# Altium PCB kunkun.PcbDoc (part 3 of 8)
Units mil, origin at the board's own origin, x right, y up, seen from the top; angles counter-clockwise.
Board outline 11417.32 x 6911.54 mil, 2 copper layers (Top Layer, Bottom Layer), stack 28 mil thick; 1172 components, 690 nets, 3402 pads, 1297 vias.
Unrouted connection lines stored in the file: 210.
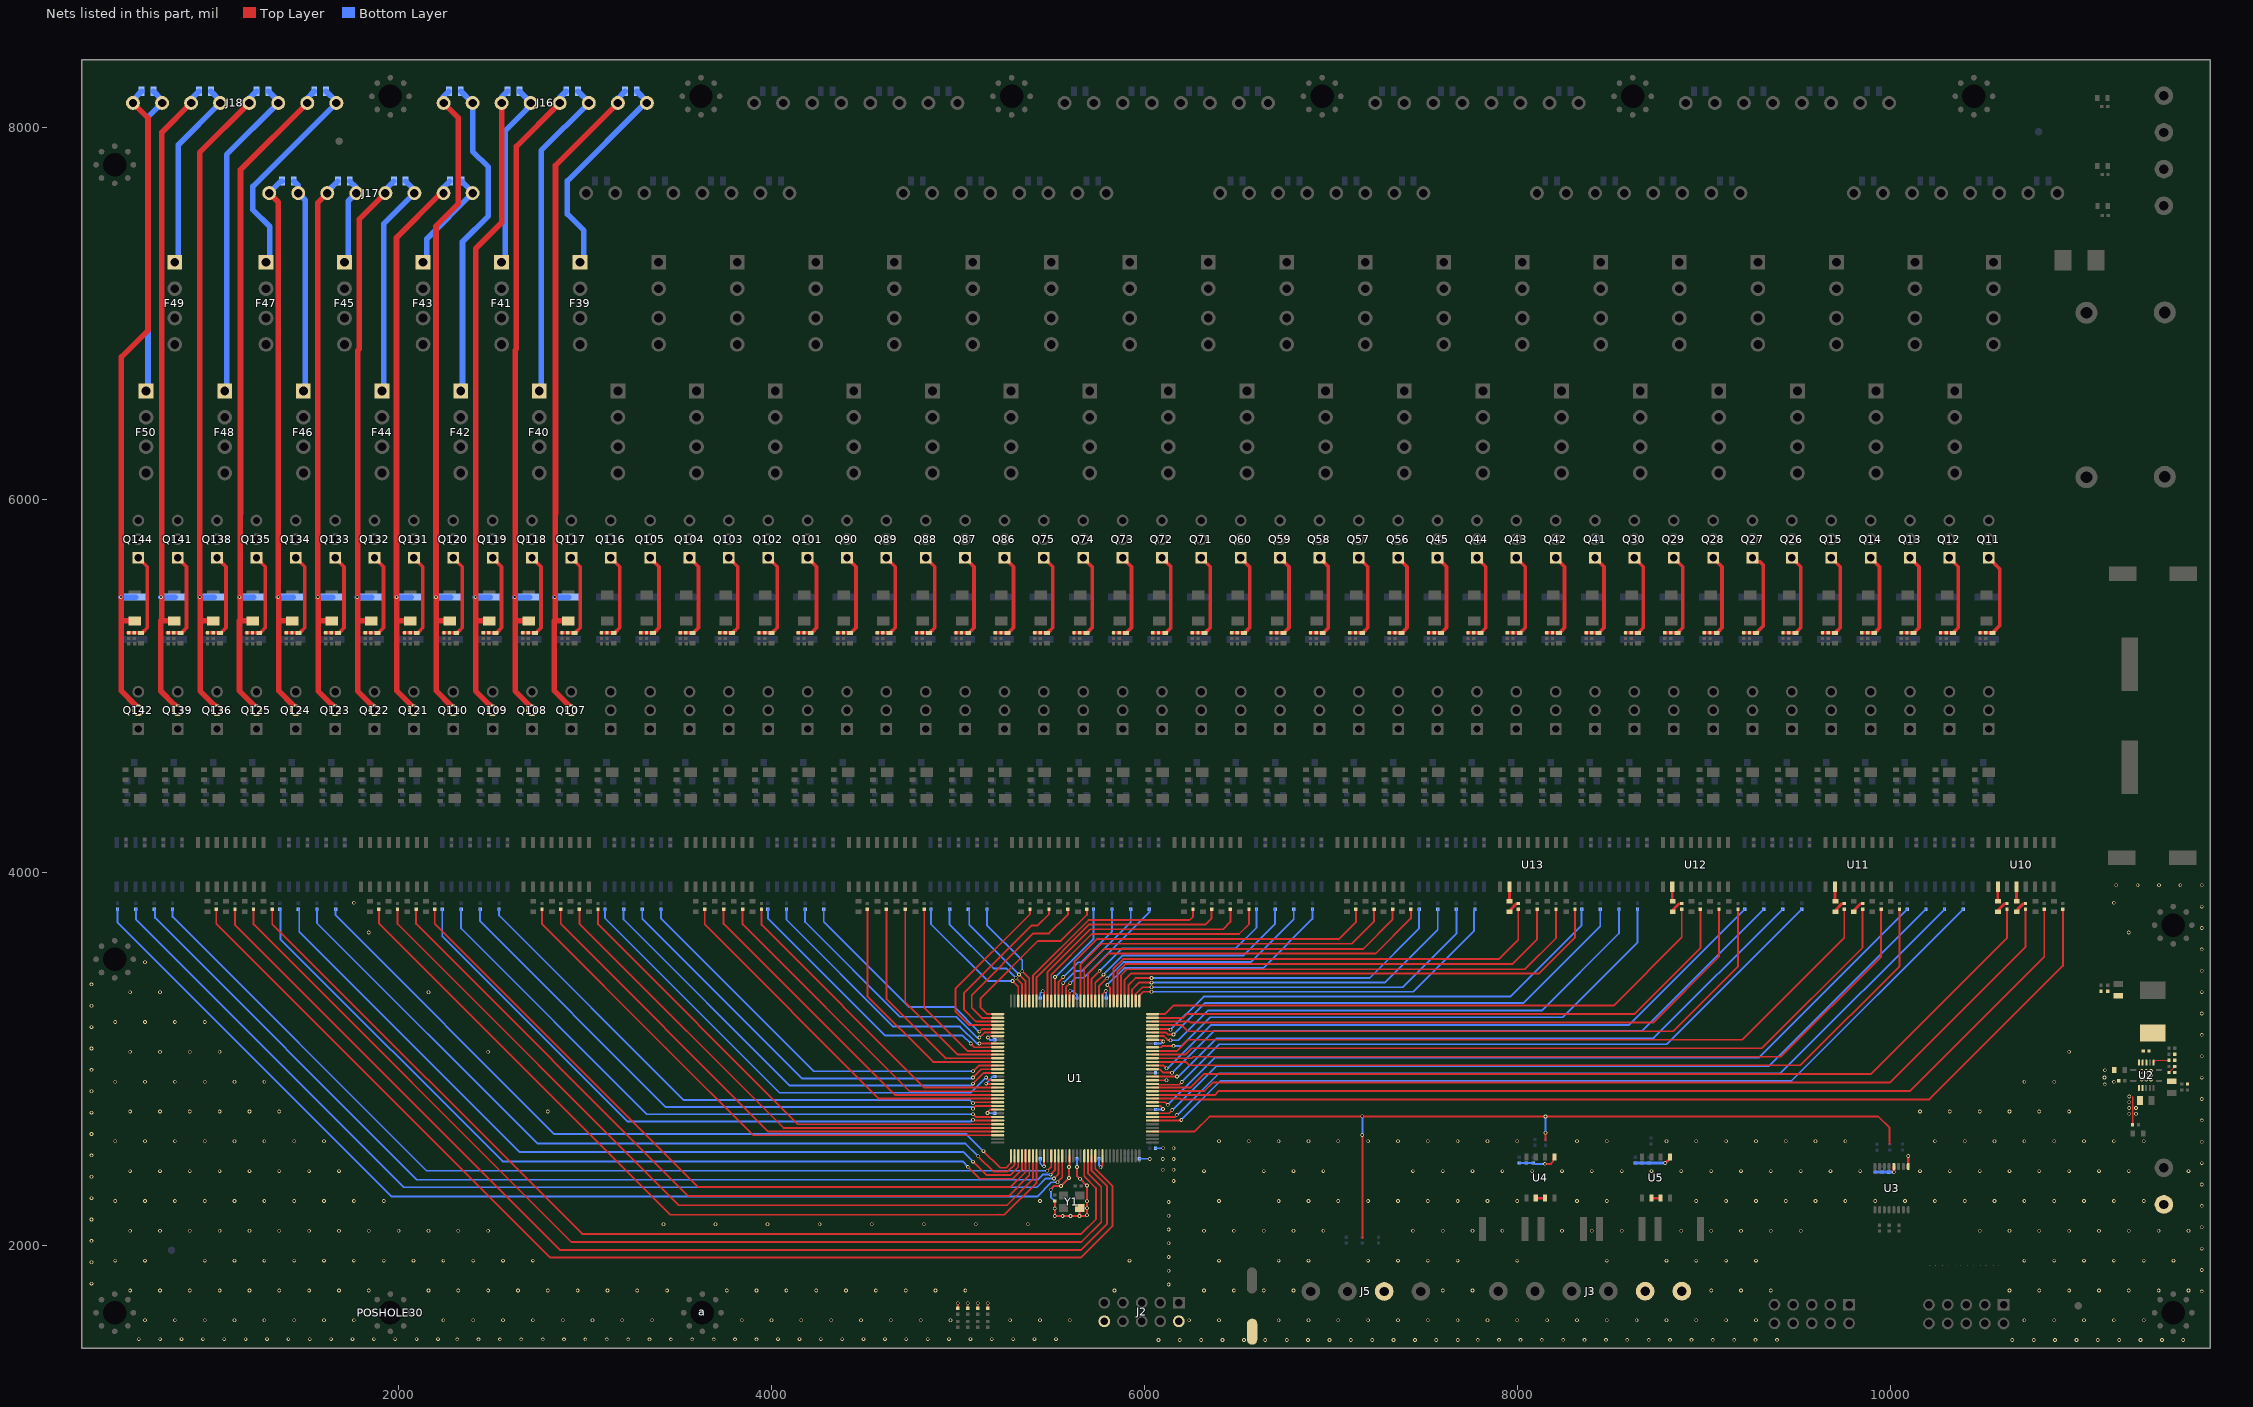
[diagram p3: the nets of this part, all layers, seen from the top]

## Via types
v1: diameter 19.68, hole 11.81, Top Layer to Bottom Layer, tented both sides, 1297 vias

## Nets (pads, with @x,y where several pads share a name; then routed paths per layer and width w, separated by ;. In a path a pad name is that pad's centre, name@x,y a point inside that pad or via, vN(x,y) a via of type N, cw(c..) or ccw(c..) an arc to the next point about the centre after c; other vN are vias at no path point) (continued)
CH37+: C155.1 D129.1 J16.2 Q107.2 R387.1 | length 3662.5
  Top Layer w30: 2835.71,5351.07 2835.71,4975.7 2910.22,4901.19 2910.22,4896.99 2926.71,4880.5 Q107.2@2926.71,4871.57 ; D129.1@2914.6,5351.07 D129.1@2908.82,5351.07 2841.39,5351.07 2840.22,5352.24 2840.22,5925.46 2841.39,5926.63 2841.39,7794.61 J16.2@3175.99,8129.21
  Bottom Layer w30: v1(2837.59,5478.99) R387.1@2913.12,5478.99 ; J16.2@3175.99,8129.21 3175.99,8154.25 C155.1@3214.04,8192.3
CH37-: C155.2 F39.1 J16.1 | length 1159
  Bottom Layer w30: F39.1@2993.4,7274.4 2993.4,7445.34 2905.34,7533.39 2905.34,7711.65 3322.91,8129.21 J16.1@3331.82,8129.21 3331.82,8137.51 C155.2@3277.03,8192.3
CH38+: C160.1 D130.1 J16.4 Q108.2 R388.1 | length 3618.6
  Top Layer w30: 2630.22,5351.07 D130.1@2697.49,5351.07 ; Q108.2@2715.54,4871.57 2715.54,4880.5 2699.05,4896.99 2699.05,4901.19 2624.54,4975.7 2624.54,5351.07 2624.54,5478.78 2624.54,6802.54 2631.75,6809.75 2631.75,7896.64 J16.4@2864.32,8129.21
  Bottom Layer w30: v1@2622.77,5478.99 R388.1@2701.86,5478.99 ; J16.4@2864.32,8129.21 2864.32,8157.27 C160.1@2899.35,8192.3
  other v1: 2622.56,5478.78
CH38-: C160.2 F40.1 J16.3 | length 1738.1
  Bottom Layer w30: F40.1@2764.45,6584.11 2764.45,7873.5 J16.3@3020.16,8129.21 3020.16,8134.49 C160.2@2962.34,8192.3
CH39+: C165.1 D131.1 J16.6 Q109.2 R389.1 | length 3575.3
  Top Layer w30: 2419.05,5351.07 D131.1@2486.15,5351.07 ; Q109.2@2504.37,4871.57 2504.37,4880.5 2487.88,4896.99 2487.88,4901.19 2413.37,4975.7 2413.37,5351.07 2413.37,5478.99 2413.37,7347.26 2552.66,7486.55 J16.6@2552.66,8129.21
  Bottom Layer w30: v1(2411.74,5478.99) R389.1@2490.6,5478.99 ; J16.6@2552.66,8129.21 2552.66,8160.3 C165.1@2584.66,8192.3
CH39-: C165.2 F41.1 J16.5 | length 999.5
  Bottom Layer w30: F41.1@2572.25,7274.4 2572.25,7980.67 2686.09,8094.51 2686.09,8094.68 2708.49,8117.09 J16.5@2708.49,8129.21 2708.49,8131.47 C165.2@2647.66,8192.3
CH40+: C170.1 D132.1 J16.8 Q110.2 R390.1 | length 3598.4
  Top Layer w30: v1(2200.49,5478.99) 2200.49,7468.94 2320.53,7588.99 2320.53,8049.67 J16.8@2240.99,8129.21 ; 2202.2,5351.07 2202.2,4975.7 2276.71,4901.19 2276.71,4896.99 2293.2,4880.5 Q110.2@2293.2,4871.57 ; 2202.76,5351.07 v1@2202.76,5478.99 ; 2208.43,5351.07 D132.1@2274.82,5351.07
  Bottom Layer w30: v1(2200.49,5478.99) R390.1@2279.34,5478.99 ; J16.8@2240.99,8129.21 2240.99,8163.32 C170.1@2269.98,8192.3
CH40-: C170.2 F42.1 J16.7 | length 1727.6
  Bottom Layer w30: C170.2@2332.97,8192.3 2333.73,8192.3 J16.7@2396.82,8129.21 2396.82,7869.59 2481.49,7784.93 2481.49,7523.49 2342.69,7384.69 F42.1@2342.69,6584.11
CH41+: C171.1 D138.1 J17.2 Q121.2 R421.1 | length 3147.9
  Top Layer w30: v1(1988.78,5478.78) 1988.78,7406.45 2228.07,7645.75 J17.2@2240.77,7645.75 ; v1@1991.03,5478.78 1991.03,5351.07 1991.03,4975.7 2065.54,4901.19 2065.54,4896.99 2082.03,4880.5 Q121.2@2082.03,4871.57 ; 1996.71,5351.07 D138.1@2063.49,5351.07
  Bottom Layer w30: v1@1988.98,5478.99 R421.1@2068.07,5478.99 ; J17.2@2240.77,7645.75 2240.77,7676.1 C171.1@2274.72,7710.04
CH41-: C171.2 F43.1 J17.1 | length 561.7
  Bottom Layer w30: F43.1@2151.11,7274.4 2151.11,7400.26 J17.1@2396.6,7645.75 2396.6,7651.15 C171.2@2337.71,7710.04
CH42+: C173.1 D139.1 J17.4 Q122.2 R422.1 | length 3102.3
  Top Layer w30: 1785.54,5351.07 D139.1@1852.16,5351.07 ; Q122.2@1870.86,4871.57 1870.86,4880.5 1854.37,4896.99 1854.37,4901.19 1779.86,4975.7 1779.86,5351.07 1779.86,5478.99 1779.86,6800.15 1789.47,6809.75 1789.47,7506.11 J17.4@1929.1,7645.75
  Bottom Layer w30: v1(1777.95,5478.99) R422.1@1856.81,5478.99 ; J17.4@1929.1,7645.75 1929.1,7664.47 C173.1@1974.67,7710.04
CH42-: C173.2 F44.1 J17.3 | length 1213.4
  Bottom Layer w30: F44.1@1920.94,6584.11 1920.94,7481.75 J17.3@2084.94,7645.75 2084.94,7662.77 C173.2@2037.66,7710.04
CH43+: C175.1 D140.1 J17.6 Q123.2 R423.1 | length 3065.6
  Top Layer w30: v1(1566.7,5478.99) 1566.7,7595.01 J17.6@1617.44,7645.75 ; 1568.69,5351.07 1568.69,4975.7 1643.2,4901.19 1643.2,4896.99 1659.69,4880.5 Q123.2@1659.69,4871.57 ; 1569.25,5351.07 v1@1569.25,5478.99 ; 1574.92,5351.07 D140.1@1640.83,5351.07
  Bottom Layer w30: v1(1566.7,5478.99) R423.1@1645.56,5478.99 ; J17.6@1617.44,7645.75 1617.44,7652.85 C175.1@1674.63,7710.04
Ch43-: C175.2 F45.1 J17.5 | length 468.3
  Bottom Layer w30: F45.1@1729.97,7274.4 1729.97,7602.44 J17.5@1773.27,7645.75 1773.27,7674.4 C175.2@1737.62,7710.04
CH44+: C177.1 D141.1 J17.8 Q124.2 R424.1 | length 3073.1
  Top Layer w30: J17.8@1305.77,7645.75 1354.99,7596.53 v1(1354.99,5478.78) ; v1@1357.52,5478.78 1357.52,5351.07 1357.52,4975.7 1432.03,4901.19 1432.03,4896.99 1448.52,4880.5 Q124.2@1448.52,4871.57 ; 1363.2,5351.07 D141.1@1429.5,5351.07
  Bottom Layer w30: J17.8@1305.77,7645.75 1370.07,7710.04 C177.1@1374.59,7710.04 ; v1@1355.2,5478.99 R424.1@1434.29,5478.99
CH44-: C177.2 F46.1 J17.7 | length 1151.5
  Bottom Layer w30: C177.2@1437.58,7710.04 1461.6,7686.02 J17.7@1461.6,7645.75 1499.18,7608.17 F46.1@1499.18,6584.11
CH45+: C172.1 D142.1 J18.2 Q125.2 R425.1 | length 3672.1
  Top Layer w30: 1146.35,5351.07 1146.35,4975.7 1220.86,4901.19 1220.86,4896.99 1237.35,4880.5 Q125.2@1237.35,4871.57 ; D142.1@1225.24,5351.07 D142.1@1218.17,5351.07 1152.03,5351.07 1150.86,5352.24 1150.86,5925.46 1152.03,5926.63 1152.03,7770.91 J18.2@1510.33,8129.21
  Bottom Layer w30: v1(1147.26,5478.99) R425.1@1223.02,5478.99 ; J18.2@1510.33,8129.21 1510.33,8155.37 C172.1@1547.26,8192.3
CH45-: C172.2 F47.1 J18.1 | length 1163.7
  Bottom Layer w30: F47.1@1308.82,7274.4 1308.82,7466 1218.72,7556.1 1218.72,7681.77 J18.1@1666.16,8129.21 1666.16,8136.39 C172.2@1610.25,8192.3
CH46+: C174.1 D144.1 J18.4 Q136.2 R452.1 | length 3629.9
  Top Layer w30: v1(932.92,5478.99) 932.92,7863.47 J18.4@1198.66,8129.21 ; v1@935.18,5478.99 935.18,5351.07 935.18,4975.7 1009.69,4901.19 1009.69,4896.99 1026.18,4880.5 Q136.2@1026.18,4871.57 ; 940.86,5351.07 D144.1@1006.84,5351.07
  Bottom Layer w30: v1(932.92,5478.99) R452.1@1011.76,5478.99 ; J18.4@1198.66,8129.21 1198.66,8152.3 C174.1@1238.66,8192.3
CH46-: C174.2 F48.1 J18.3 | length 1744.8
  Bottom Layer w30: F48.1@1077.42,6584.11 1077.42,7852.14 J18.3@1354.49,8129.21 1354.49,8139.46 C174.2@1301.65,8192.3
CH47+: C176.1 D146.1 J18.6 Q139.2 R459.1 | length 3591.1
  Top Layer w30: 724.01,5351.07 724.01,4975.7 798.52,4901.19 798.52,4896.99 815.01,4880.5 Q139.2@815.01,4871.57 ; D146.1@803.46,5351.07 D146.1@795.51,5351.07 730.24,5351.07 729.3,5352.01 728.52,5352.79 728.52,5925.46 730.24,5927.19 730.24,7972.46 J18.6@886.99,8129.21
  Bottom Layer w30: v1(725.2,5478.99) R459.1@800.5,5478.99 ; J18.6@886.99,8129.21 886.99,8149.23 C176.1@930.07,8192.3
CH47-: C176.2 F49.1 J18.5 | length 1034.3
  Bottom Layer w30: F49.1@819.01,7274.4 819.01,7905.4 J18.5@1042.83,8129.21 ; C176.2@993.06,8192.3 1042.83,8142.54 J18.5@1042.83,8129.21 ; J18.5@1045.87,8129.21 J18.5@1042.83,8129.21
CH48+: C178.1 D148.1 J18.8 Q142.2 R466.1 | length 3614.5
  Top Layer w30: 518.52,5351.07 D148.1@584.17,5351.07 ; J18.8@575.33,8129.21 655.66,8048.87 655.66,6909.61 512.84,6766.79 512.84,5478.99 512.84,5351.07 512.84,4975.7 587.35,4901.19 587.35,4896.99 603.84,4880.5 Q142.2@603.84,4871.57
  Bottom Layer w30: v1(510.38,5478.99) R466.1@589.24,5478.99 ; J18.8@575.33,8129.21 575.33,8146.15 C178.1@621.47,8192.3
CH48-: C178.2 F50.1 J18.7 | length 1658.8
  Bottom Layer w30: F50.1@655.66,6584.11 655.66,8053.71 J18.7@731.16,8129.21 731.16,8145.61 C178.2@684.47,8192.3
CLK: U1.40 YTX3.1 YTX4.1 YTX7.2 | length 4882.2
  Top Layer w10: U1.40@6043.84,2612.12 6268.43,2612.12 6349.36,2693.05 9936.29,2693.05 9997.02,2632.32 YTX3.1@9997.02,2544.35 ; 7168.99,2040.74 YTX7.2@7168.99,2044.91 v1(7168.99,2593.49) ; 8151.79,2564.67 YTX4.1@8151.79,2568.85 v1(8151.79,2605.43)
  Bottom Layer w10: v1(7168.99,2593.49) v1(7168.99,2694.32) ; v1(8151.79,2605.43) v1(8151.79,2693.44)
DGND: C2.1 C3.1 C4.1 C5.1 C6.1 C7.1 C8.1 C9.1 C10.1 C11.1 C12.1 C13.1 C14.1 C15.1 C16.1 C17.1 C18.1 C19.1 C20.1 C21.1 C22.1 C23.1 C24.1 C25.1 C26.1 C27.1 C28.1 C29.1 C30.1 C31.1 J1.1 J2.2 J2.10 J3.5 J3.6 J5.3 KEY1.1 LED2.1 POSHOLE30.@1956.19,1640.57 R1.2 R5.1 R7.1 R8.1 R10.1 R17.1 R18.1 R19.1 R20.1 U1.10 U1.17 U1.26 U1.47 U1.54 U1.65 U1.83 U1.92 U1.99 U1.115 U1.128 U1.135 U2.2 U2.3 U2.15 U3.9 U3.12 U4.2 U4.3 U4.5 U5.2 U5.3 U5.5 Y1.2 | length 3881.6
  Top Layer w10: R17.1@4999.38,1664.32 v1(4999.38,1690.94) ; R18.1@5052.92,1664.32 v1(5052.92,1690.94) ; R19.1@5106.47,1664.32 v1(5106.47,1690.94) ; v1@5148.97,2869.49 5150.43,2868.03 U1.128@5213.14,2868.03 ; v1(5158.46,2712.25) 5158.46,2714.87 5163.3,2719.71 5163.3,2720.81 5172.72,2730.23 U1.135@5213.14,2730.23 ; R20.1@5160.01,1664.32 v1(5160.01,1690.94) ; v1@5160.74,3115.89 5163.36,3115.89 5171.4,3123.94 U1.115@5213.14,3123.94 ; v1(5455.3,3365.28) 5461.17,3359.41 U1.99@5461.17,3312.91 ; U1.10@5461.17,2482.2 5461.17,2426.39 v1(5462.09,2425.46) ; v1@5498.31,2303.36 5514.98,2320.03 v1(5552.41,2320.03) v1(5595.4,2363.03) v1(5595.4,2422.29) 5598.96,2425.85 U1.17@5598.96,2482.2 ; C9.1@5515.18,2244.09 5515.54,2244.09 C9.1@5519.4,2240.23 v1(5519.4,2159.28) v1(5603.51,2159.28) 5652.9,2159.28 5687.61,2159.28 v1(5691.93,2163.59) v1(5691.93,2238.87) v1(5691.93,2322.62) v1(5655.05,2359.5) 5638.33,2376.21 v1@5638.33,2422.4 ; U1.92@5598.96,3312.91 5598.96,3358.81 5604.75,3364.6 v1@5604.75,3367.22 ; v1(5652.25,2159.28) 5652.9,2159.93 Y1.2@5652.9,2201.56 ; v1(5765.08,2421.09) 5776.13,2432.13 U1.26@5776.13,2482.2 ; U1.83@5776.13,3312.91 5776.13,3350.11 v1(5792.81,3366.79) ; U1.47@6043.84,2749.92 6084.28,2749.92 6099.89,2734.31 v1(6099.89,2733.69) ; U1.54@6043.84,2887.71 v1(6118.42,2887.71) ; U1.65@6043.84,3104.25 6093.11,3104.25 v1(6101.77,3095.59) ; v1(8148.16,2438.96) 8180.3,2438.96 8193.34,2451.99 8193.34,2469.39 U4.5@8199.16,2475.22 ; R1.2@11300.15,2649.6 11301.14,2650.59 11301.14,2799.09
  Top Layer w15: U4.2@8099.16,2254.75 U4.3@8149.16,2254.75 ; U5.2@8718.76,2254.75 U5.3@8768.76,2254.75 ; v1(8793.62,2443.48) 8794.51,2444.38 8795.79,2444.38 8818.76,2467.35 U5.5@8818.76,2475.22 ; v1(10020.04,2393.93) U3.12@10020.04,2425.23 ; U3.9@10096.81,2425.23 v1(10096.81,2481.1)
  Bottom Layer w10: v1@5148.97,2869.49 5187.09,2907.62 C19.1@5197.61,2907.62 ; v1(5158.46,2712.25) 5160.16,2710.55 C18.1@5197.39,2710.55 ; v1@5160.74,3115.89 5172.38,3104.25 C20.1@5197.39,3104.25 ; C12.1@5441.48,2466.46 5441.48,2440.99 5455.15,2427.32 5460.24,2427.32 v1(5462.09,2425.46) ; C21.1@5441.48,3328.66 5441.48,3355.04 v1@5455.3,3368.86 ; v1(5595.4,2422.29) v1(5595.4,2363.03) v1(5552.41,2320.03) 5514.98,2320.03 5498.31,2303.36 5498.31,2260.96 5519.4,2239.87 v1(5519.4,2159.28) v1(5603.51,2159.28) 5687.61,2159.28 v1(5691.93,2163.59) v1(5691.93,2238.87) v1(5691.93,2322.62) v1(5655.05,2359.5) 5638.33,2376.21 C13.1@5638.33,2466.46 ; v1@5599.75,3367.22 v1@5601.6,3365.36 ; v1@5604.75,3367.22 5606.4,3365.57 5619.59,3365.57 5638.33,3346.83 C15.1@5638.33,3328.66 ; C10.1@5756.44,2466.46 5756.44,2432.35 5765.08,2423.71 v1(5765.08,2421.09) ; v1(5792.81,3366.79) 5792.81,3364.17 5795.81,3361.17 C14.1@5795.81,3328.66 ; R5.1@5972.98,2466.46 6027.97,2466.46 v1(6028.89,2465.53) ; C22.1@6059.51,2522.71 v1@6096.13,2522.71 ; C11.1@6059.59,2730.23 6093.81,2730.23 6097.27,2733.69 v1(6099.89,2733.69) ; C17.1@6059.59,3084.57 6090.75,3084.57 v1(6101.77,3095.59) ; C23.1@8011.12,2443.72 C24.1@8048.42,2443.72 C25.1@8085.73,2443.72 8089.59,2439.87 8097.02,2439.87 8097.93,2438.96 v1(8148.16,2438.96)
  Bottom Layer w15: C26.1@8632,2443.72 C27.1@8669.3,2443.72 8793.37,2443.72 v1(8793.62,2443.48) ; C30.1@9918.23,2395 C31.1@9957.26,2395 10018.98,2395 v1(10020.04,2393.93)
  other v1: 6075.41,1494.43 6190.06,1494.43 6304.71,1494.43 6419.36,1494.43 6534.01,1494.43 6648.66,1494.43 6763.31,1494.43 6877.96,1494.43 6992.61,1494.43 7107.26,1494.43 7221.91,1494.43 7336.56,1494.43 7451.21,1494.43 7565.86,1494.43 7680.51,1494.43 10655.23,1494.43 10769.88,1494.43 10884.53,1494.43 10999.18,1494.43 11113.83,1494.43 11228.48,1494.43 11343.13,1494.43 11457.78,1494.43 11572.43,1494.43 7787.61,1495.13 7902.26,1495.13 8016.91,1495.13 8131.56,1495.13 8246.21,1495.13 8360.86,1495.13 8475.51,1495.13 8590.16,1495.13 8704.81,1495.13 8819.46,1495.13 8934.11,1495.13 9048.76,1495.13 9163.41,1495.13 9278.06,1495.13 9392.71,1495.13 2314.01,1497.66 2428.66,1497.66 2543.31,1497.66 2657.96,1497.66 2772.61,1497.66 2887.26,1497.66 3001.91,1497.66 3116.56,1497.66 3231.21,1497.66 3345.86,1497.66 3460.51,1497.66 3575.16,1497.66 3689.81,1497.66 3804.46,1497.66 3919.11,1497.66 606.26,1499.15 720.91,1499.15 835.56,1499.15 950.21,1499.15 1064.86,1499.15 1179.51,1499.15 1294.16,1499.15 1408.81,1499.15 1523.46,1499.15 1638.11,1499.15 1752.76,1499.15 1867.41,1499.15 1982.06,1499.15 2096.71,1499.15 2211.36,1499.15 4035.11,1499.15 4149.76,1499.15 4264.41,1499.15 4379.06,1499.15 4493.71,1499.15 4608.36,1499.15 4723.01,1499.15 4837.66,1499.15 4952.31,1499.15 5066.96,1499.15 5181.61,1499.15 5296.26,1499.15 5410.91,1499.15 5525.56,1499.15 640,1600 800,1600 960,1600 1120,1600 1280,1600 1440,1600 1600,1600 1760,1600 2240,1600 2400,1600 2560,1600 2720,1600 2880,1600 3040,1600 3200,1600 3360,1600 3840,1600 4000,1600 4160,1600 4320,1600 4480,1600 4640,1600 4800,1600 4960,1600 5280,1600 5440,1600 5600,1600 6240,1600 6400,1600 6720,1600 6880,1600 7040,1600 7200,1600 7360,1600 7520,1600 7680,1600 7840,1600 8000,1600 8160,1600 8320,1600 8480,1600 8640,1600 8800,1600 8960,1600 9120,1600 9280,1600 10720,1600 10880,1600 11040,1600 11200,1600 11360,1600 11671.36,1755.22 560,1760 720,1760 880,1760 1040,1760 1200,1760 1360,1760 1520,1760 1680,1760 1840,1760 2160,1760 2320,1760 2480,1760 2640,1760 2800,1760 2960,1760 3120,1760 3280,1760 3440,1760 3760,1760 3920,1760 4080,1760 4240,1760 4400,1760 4560,1760 4720,1760 4880,1760 5040,1760 5840,1760 6320,1760 6480,1760 6640,1760 6800,1760 7600,1760 7760,1760 8400,1760 9040,1760 9200,1760 9360,1760 10640,1760 10800,1760 10960,1760 11120,1760 11280,1760 11440,1760 11600,1760 6129.86,1792.08 353.18,1796.71 6129.86,1865.76 11671.36,1869.87 353.18,1911.36 480,1920 640,1920 960,1920 1120,1920 1280,1920 1440,1920 1600,1920 1760,1920 1920,1920 2080,1920 2240,1920 2400,1920 2560,1920 2720,1920 5920,1920 6400,1920 6720,1920 6880,1920 7200,1920 7360,1920 7520,1920 7680,1920 8000,1920 8480,1920 8800,1920 8960,1920 9120,1920 9280,1920 10720,1920 10880,1920 11040,1920 11200,1920 11360,1920 11520,1920 6129.86,1939.44 11671.36,1984.52 6129.86,2013.12 353.18,2026.01 560,2080 720,2080 880,2080 1040,2080 1200,2080 1360,2080 1520,2080 1680,2080 1840,2080 2000,2080 2160,2080 2320,2080 2480,2080 6320,2080 6480,2080 6640,2080 6800,2080 6960,2080 7440,2080 7600,2080 7760,2080 7920,2080 8240,2080 8400,2080 8560,2080 8880,2080 9040,2080 9200,2080 9360,2080 9520,2080 10480,2080 10640,2080 10800,2080 10960,2080 11120,2080 11280,2080 11440,2080 11600,2080 6129.86,2086.8 11671.36,2099.17 3420.47,2115.2 3699.65,2115.2 3978.84,2115.2 4258.03,2115.2 4537.22,2115.2 4816.41,2115.2 5095.59,2115.2 5374.78,2115.2 353.18,2140.66 5561.45,2159.28 6129.86,2160.48 5519.4,2199.57 5691.93,2201.23 11671.36,2213.82 6129.86,2234.16 480,2240 640,2240 800,2240 960,2240 1120,2240 1280,2240 1440,2240 1600,2240 1760,2240 1920,2240 5440,2240 6400,2240 6720,2240 6880,2240 7040,2240 7200,2240 7360,2240 7520,2240 7680,2240 7840,2240 8000,2240 8320,2240 8480,2240 8960,2240 9120,2240 9280,2240 9440,2240 9600,2240 9760,2240 9920,2240 10080,2240 10240,2240 10400,2240 10560,2240 10720,2240 10880,2240 11040,2240 11200,2240 11360,2240 353.18,2255.31 5498.31,2300.74 11671.36,2328.47 6156.83,2347.08 353.18,2369.96 560,2400 720,2400 880,2400 1040,2400 1200,2400 1360,2400 1520,2400 1680,2400 6320,2400 6640,2400 6800,2400 6960,2400 7440,2400 7600,2400 7760,2400 7920,2400 8080,2400 8240,2400 8400,2400 8560,2400 8720,2400 8880,2400 9040,2400 9200,2400 9360,2400 9520,2400 9680,2400 9840,2400 10160,2400 10320,2400 10480,2400 10640,2400 10800,2400 10960,2400 11120,2400 11280,2400 11600,2400 6098.46,2407.98 6156.83,2407.98 5638.33,2422.29 11671.36,2443.12 6098.46,2465.53 6156.83,2465.53 353.18,2484.61 6100.84,2522.71 6156.83,2522.71 11671.36,2557.77 480,2560 640,2560 800,2560 960,2560 1120,2560 1280,2560 1440,2560 1600,2560 6400,2560 6560,2560 6720,2560 6880,2560 7040,2560 7200,2560 7360,2560 7520,2560 7680,2560 7840,2560 8000,2560 8320,2560 8480,2560 8800,2560 8960,2560 9120,2560 9280,2560 9440,2560 9600,2560 9760,2560 10240,2560 10400,2560 10560,2560 10720,2560 10880,2560 11040,2560 11200,2560 11360,2560 353.18,2599.26 11671.36,2672.42 11282.43,2707.76 11318.41,2707.76 353.18,2713.91 560,2720 720,2720 880,2720 1040,2720 1200,2720 1360,2720 2800,2720 10160,2720 10320,2720 10480,2720 10640,2720 10800,2720 10960,2720 11282.43,2738.69 11318.41,2738.69 11282.43,2769.62 11671.36,2787.07 11282.43,2800.54 353.18,2828.56 11151.05,2865.43 5151.08,2869.49 480,2880 640,2880 800,2880 960,2880 1120,2880 1280,2880 10720,2880 10880,2880 11200,2880 11349.54,2891.05 11374.08,2891.05 11398.63,2891.05 11150.04,2902.21 11671.36,2901.72 11349.54,2914.4 11374.08,2914.4 11398.63,2914.4 11349.54,2937.75 11374.08,2937.75 11398.63,2937.75 11151.65,2941.43 353.18,2943.21 11671.36,3016.37 560,3040 720,3040 880,3040 1040,3040 2480,3040 10960,3040 353.18,3057.86 5160.74,3116.57 11671.36,3131.02 353.18,3172.51 480,3200 640,3200 800,3200 960,3200 11671.36,3245.67 353.18,3287.16 560,3360 720,3360 2160,3360 11671.36,3360.32 5602.53,3367.22 353.18,3401.81 11671.36,3474.97 640,3520 11671.36,3589.62 1840,3680 11280,3680 11671.36,3704.27 11671.36,3818.92 1760,3840 11200,3840 11212.76,3933.57 11327.41,3933.57 11442.06,3933.57 11556.71,3933.57 11671.36,3933.57
F1+: R37.1 U1.43 | length 4817.8
  Top Layer w10: U1.43@6043.84,2671.18 6192.2,2671.18 6195.72,2674.69 v1(6198.34,2674.69)
  Bottom Layer w10: v1(6198.34,2674.69) 6407.12,2883.47 9470.04,2883.47 R37.1@10391.87,3805.3
F1-: R65.1 U1.49 | length 5484.4
  Top Layer w10: U1.49@6043.84,2789.29 6191.03,2789.29 6195.74,2784.58 10210.05,2784.58 10926.3,3500.82 R65.1@10926.3,3804.1
F2+: R41.1 U1.44 | length 4709.6
  Top Layer w10: U1.44@6043.84,2690.86 6163.85,2690.86 6172.52,2699.54 v1@6175.14,2699.54
  Bottom Layer w10: v1@6175.14,2699.54 6400.16,2924.56 9411.13,2924.56 R41.1@10291.87,3805.3
  other v1: 6173.96,2701.62
F2-: R61.1 U1.50 | length 5344.4
  Top Layer w10: U1.50@6043.84,2808.97 6044.73,2808.09 6377.72,2808.09 6399.97,2830.34 10106.9,2830.34 10826.3,3549.74 R61.1@10826.3,3804.1
F3+: R45.1 U1.45 | length 4601.5
  Top Layer w10: U1.45@6043.84,2710.55 6133.56,2710.55 v1@6147.4,2724.39
  Bottom Layer w10: v1@6147.4,2724.39 6386.46,2963.46 9350.02,2963.46 R45.1@10191.87,3805.3
  other v1: 6149.59,2728.54
F3-: R57.1 U1.51 | length 5204.2
  Top Layer w10: U1.51@6043.84,2828.66 6044.99,2829.8 6322.31,2829.8 6368.61,2876.1 9999.3,2876.1 10726.3,3603.1 R57.1@10726.3,3804.1
F4+: R49.1 U1.48 | length 4487.9
  Top Layer w10: U1.48@6043.84,2769.6 6111.07,2769.6 v1(6125.21,2755.46)
  Bottom Layer w10: v1@6125.78,2756.03 6377.61,3007.86 9294.43,3007.86 R49.1@10091.87,3805.3
F4-: R53.1 U1.52 | length 5068.5
  Top Layer w10: U1.52@6043.84,2848.34 6246.7,2848.34 6320.22,2921.87 9898.03,2921.87 10626.3,3650.13 R53.1@10626.3,3804.1
F5+: R38.1 U1.53 | length 3872
  Top Layer w10: U1.53@6043.84,2868.03 6073.86,2868.03 6078.13,2863.76 6185.99,2863.76 v1(6200.7,2878.47)
  Bottom Layer w10: v1@6201.11,2880.47 6401.49,3080.86 8800.89,3080.86 R38.1@9525.32,3805.3
F5-: R66.1 U1.59 | length 4538.9
  Top Layer w10: U1.59@6043.84,2986.14 6223.06,2986.14 6241.57,2967.63 9518.12,2967.63 10050.51,3500.02 R66.1@10050.51,3804.1
F6+: R42.1 U1.55 | length 3749.1
  Top Layer w10: U1.55@6044.17,2907.73 v1@6174.8,2907.73
  Bottom Layer w10: v1@6179.12,2902.46 6388.62,3111.95 8730.31,3111.95 R42.1@9423.66,3805.3
  other v1: 6175.12,2907.4
F6-: R62.1 U1.60 | length 4386.6
  Top Layer w10: U1.60@6043.84,3005.83 6254.7,3005.83 6262.26,3013.39 9413.94,3013.39 9951.51,3550.96 R62.1@9951.51,3804.1
F7+: R46.1 U1.57 | length 3645.4
  Top Layer w10: U1.57@6043.84,2946.77 6082.07,2946.77 6100.61,2928.24 v1(6148.42,2928.24)
  Bottom Layer w10: v1@6151.35,2930.23 6372.35,3151.23 8667.92,3151.23 R46.1@9321.99,3805.3
F7-: R58.1 U1.61 | length 4251